# Altium PCB MMB_Controller_Board.pcbdoc (part 1 of 3) (continued)
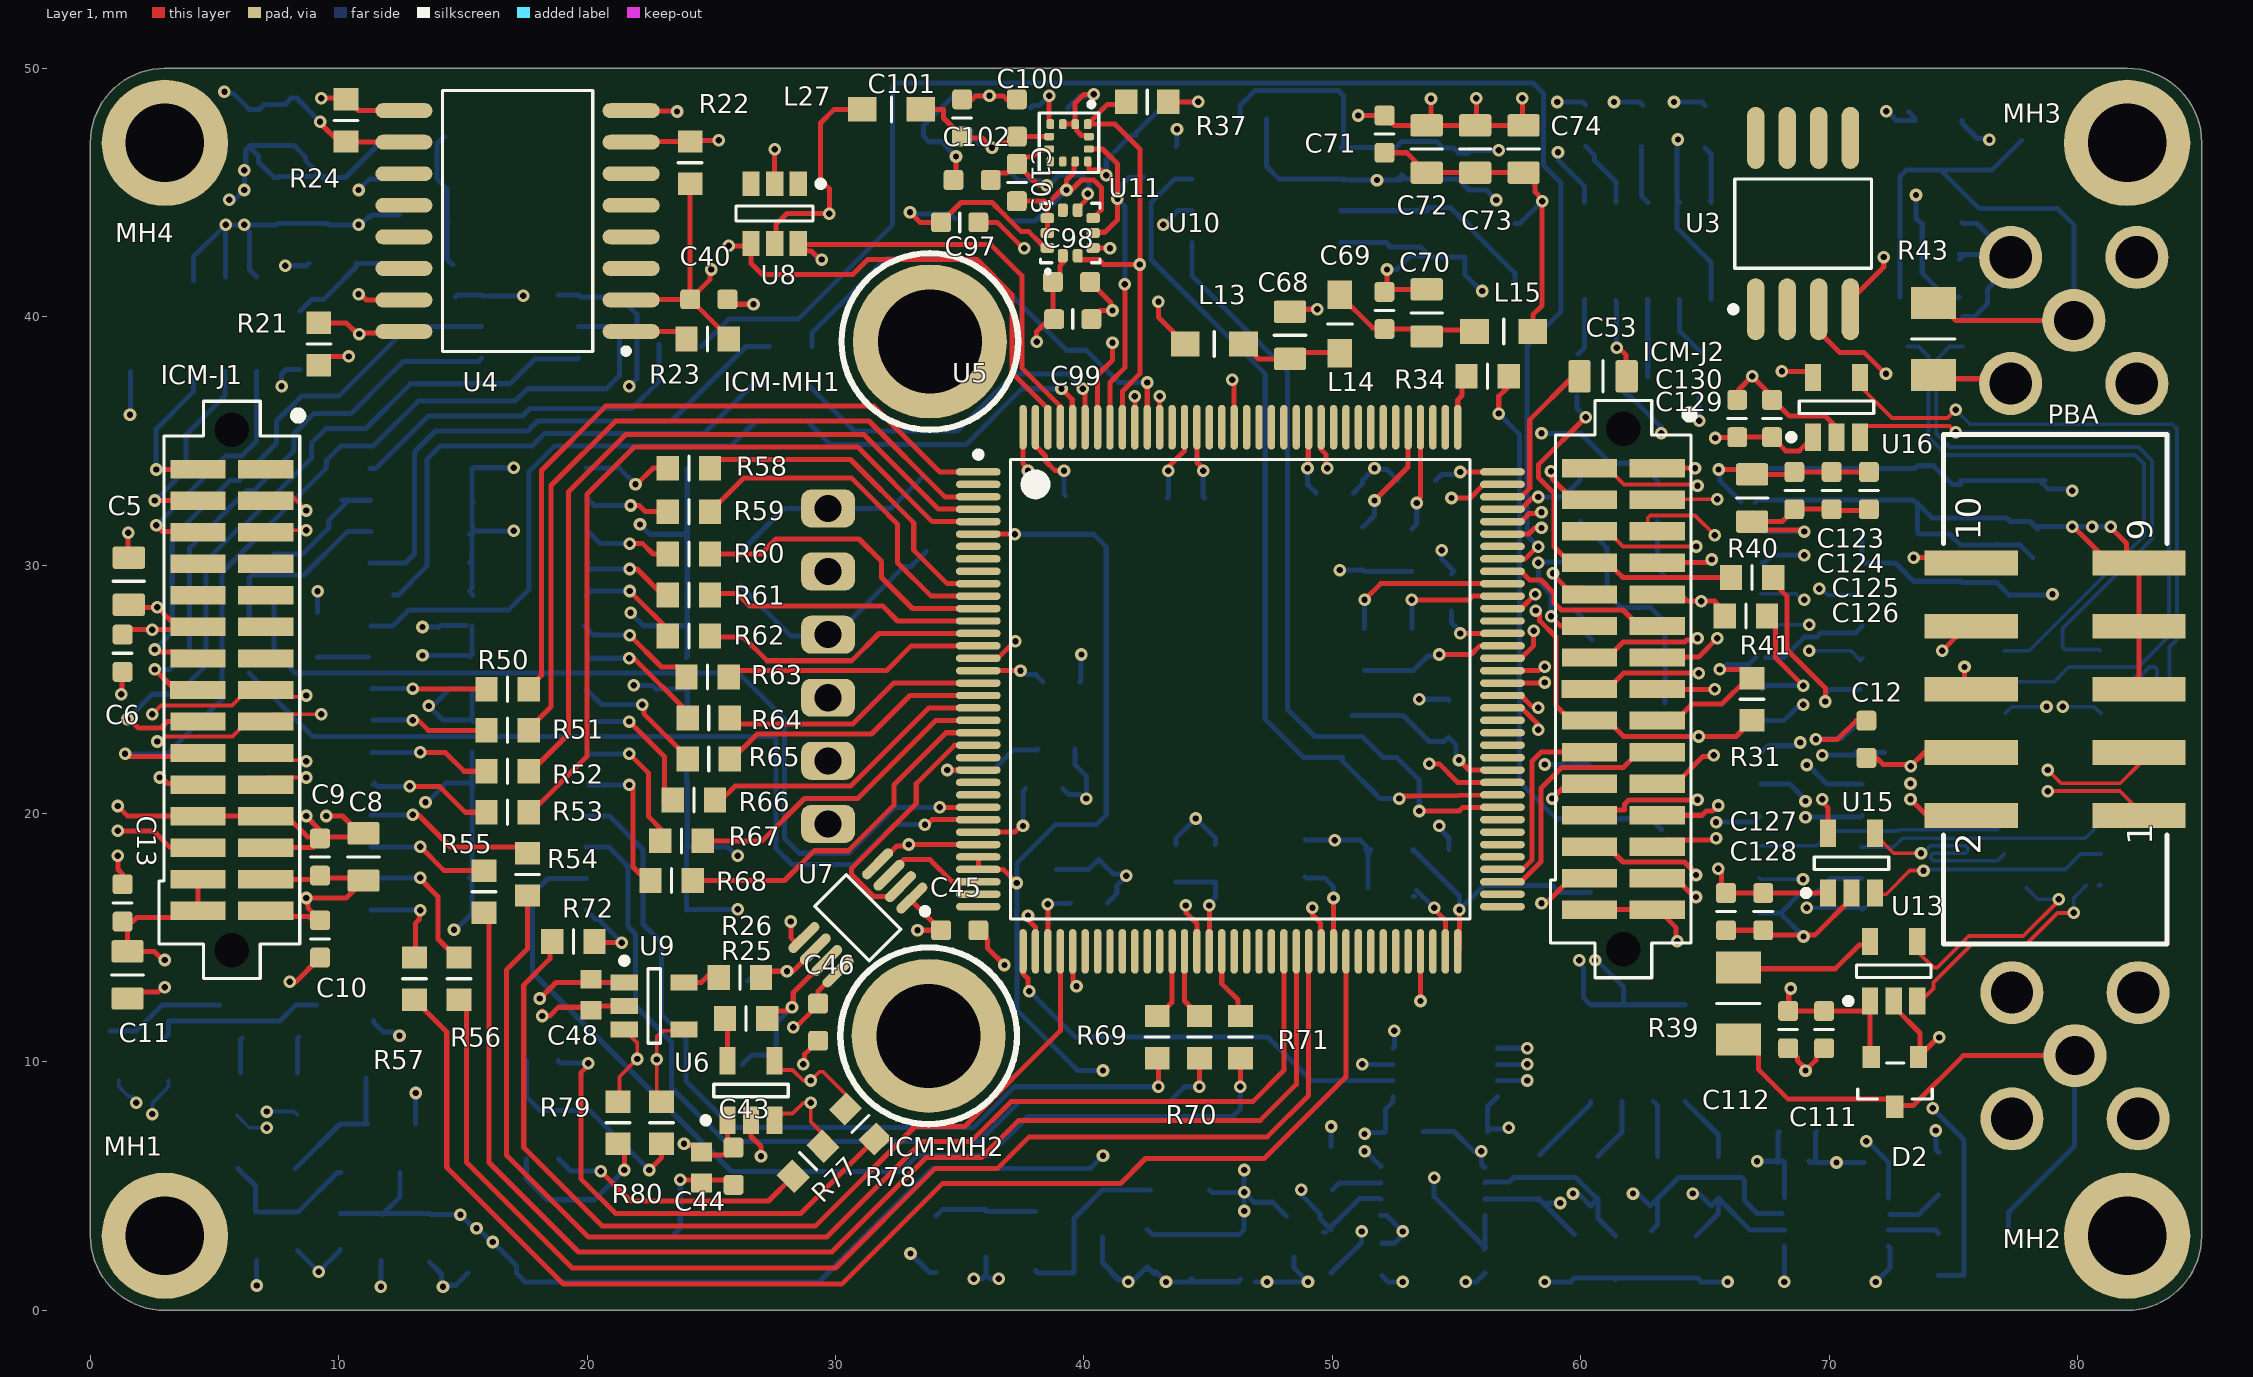
[diagram p0: Layer 1 view]
## Part data (continued)
R11 R12 R13 R14 R15 R16 R25 R26 R40 R41 R42 R44 R45 R46 R47 R48 R49 R50 R51 R52 R53 R54 R55 R56 R57 R58 R59 R60 R61 R62 R63 R64 R65 R66 R67 R68 R69 R70 R71 R72: "RES 28.0 OHM 1/10W 1% 0603 SMD", Case/Package=0603, Case Code (Metric)=1608, Manufacturer=Panasonic, Manufacturer Part Number=ERJ3EKF28R0V, Max Operating Temperature=155°C, Max Power Dissipation=100mW, Min Operating Temperature=-55°C, Package Quantity=1, Resistance=28.0, Supplier Part Number 1=P28.0HCT-ND, Temperature Coefficient=100ppm/°C, Tolerance=1%, Voltage Rating=75V, Voltage Rating (DC)=50V, Case Code (Imperial)=0603, ComponentLink1Description=https://datasheet.ciiva.com/46437/1678782-46437594.pdf?src-supplier=Element14, ComponentLink1URL=https://datasheet.ciiva.com/46437/1678782-46437594.pdf?src-supplier=Element14, ComponentLink2Description=https://datasheet.ciiva.com/22676/1678782-22676667.pdf?src-supplier=Element14, ComponentLink2URL=https://datasheet.ciiva.com/22676/1678782-22676667.pdf?src-supplier=Element14, ComponentLink3Description=https://datasheet.ciiva.com/22736/1678782-22736555.pdf?src-supplier=Element14, ComponentLink3URL=https://datasheet.ciiva.com/22736/1678782-22736555.pdf?src-supplier=Element14, Composition="Thick Film", Contact Plating=Tin, Features="Automotive AEC-Q200", Height=0.022inch, Lead Free="Lead Free", Length=1.6mm, Mount="Surface Mount", Number of Terminations=2, Packaging="Tape and Reel", Power Rating=100mW, Pricing 1="1 = 0.10000, 10 = 0.06500, 100 = 0.02640, 1000 = 0.01186, 2500 = 0.01029 (USD)", Radiation Hardening=No, REACH SVHC=Yes, RoHS=Yes, Stock 1=75130, Supplier 1=Digi-Key, Width=0.8mm
R21 R22 R23 R24: "RES 3.00K OHM 1/10W 1% 0603 SMD", Case/Package=0603, Case Code (Metric)=1608, Manufacturer=Panasonic, Manufacturer Part Number=ERJ3EKF3001V, Max Operating Temperature=155°C, Max Power Dissipation=100mW, Min Operating Temperature=-55°C, Package Quantity=1, Resistance=3.00K, Supplier Part Number 1=P3.00KHCT-ND, Temperature Coefficient=100ppm/°C, Tolerance=1%, Voltage Rating=75V, Case Code (Imperial)=0603, ComponentLink1Description=https://datasheet.ciiva.com/16782/70260748-16782535.pdf?src-supplier=Allied+Electronics, ComponentLink1URL=https://datasheet.ciiva.com/16782/70260748-16782535.pdf?src-supplier=Allied+Electronics, ComponentLink2Description=https://datasheet.ciiva.com/46373/1678782-46373975.pdf?src-supplier=Element14, ComponentLink2URL=https://datasheet.ciiva.com/46373/1678782-46373975.pdf?src-supplier=Element14, ComponentLink3Description=https://datasheet.ciiva.com/9116/aoa0000ce2-9116984.pdf?src-supplier=Avnet, ComponentLink3URL=https://datasheet.ciiva.com/9116/aoa0000ce2-9116984.pdf?src-supplier=Avnet, ComponentLink4Description=https://datasheet.ciiva.com/46386/1678782-46386728.pdf?src-supplier=Element14, ComponentLink4URL=https://datasheet.ciiva.com/46386/1678782-46386728.pdf?src-supplier=Element14, ComponentLink5Description=https://datasheet.ciiva.com/9116/aoa0000ce2-9116986.pdf?src-supplier=Avnet, ComponentLink5URL=https://datasheet.ciiva.com/9116/aoa0000ce2-9116986.pdf?src-supplier=Avnet, ComponentLink6Description=https://datasheet.ciiva.com/30198/aoa0000ce2-30198332.pdf?src-supplier=Onlinecomponents.com, ComponentLink6URL=https://datasheet.ciiva.com/30198/aoa0000ce2-30198332.pdf?src-supplier=Onlinecomponents.com, ComponentLink7Description=https://datasheet.ciiva.com/24027/aoa0000ce2-24027133.pdf?src-supplier=Mouser, ComponentLink7URL=https://datasheet.ciiva.com/24027/aoa0000ce2-24027133.pdf?src-supplier=Mouser, ComponentLink8Description=https://datasheet.ciiva.com/28565/1678782-28565103.pdf?src-supplier=Element14, ComponentLink8URL=https://datasheet.ciiva.com/28565/1678782-28565103.pdf?src-supplier=Element14, Composition="Thick Film", Contact Plating=Tin, Depth=0.8mm, Features="Automotive AEC-Q200", Height=0.022inch, Lead Free="Lead Free", Length=1.6mm, Military Standard=Not, Mount="Surface Mount", Number of Terminations=2, Packaging="Tape and Reel", Power Rating=100mW, Pricing 1="1 = 0.10000, 10 = 0.06500, 100 = 0.02640, 1000 = 0.01186, 2500 = 0.01029 (USD)", Radiation Hardening=No, REACH SVHC="No SVHC", RoHS=Yes, Stock 1=718346, Supplier 1=Digi-Key, Termination=SMD/SMT, Voltage Rating (DC)=75V, Width=0.031inch
R27 R28 R29 R30: "RES 100K OHM 1/10W 1% 0603 SMD", Case/Package=0603, Case Code (Metric)=1608, Manufacturer=Panasonic, Manufacturer Part Number=ERJ3EKF1003V, Max Operating Temperature=155°C, Max Power Dissipation=100mW, Min Operating Temperature=-55°C, Package Quantity=1, Resistance=100K, Supplier Part Number 1=P100KHTR-ND, Temperature Coefficient=100ppm/°C, Tolerance=1%, Voltage Rating=75V, Case Code (Imperial)=0603, ComponentLink1Description=https://datasheet.ciiva.com/34303/1987476-34303566.pdf?src-supplier=Jameco, ComponentLink1URL=https://datasheet.ciiva.com/34303/1987476-34303566.pdf?src-supplier=Jameco, ComponentLink2Description=https://datasheet.ciiva.com/30133/aoa0000ce2-30133845.pdf?src-supplier=Onlinecomponents.com, ComponentLink2URL=https://datasheet.ciiva.com/30133/aoa0000ce2-30133845.pdf?src-supplier=Onlinecomponents.com, ComponentLink3Description=https://datasheet.ciiva.com/16740/aoa0000ce2-16740662.pdf?src-supplier=Future+Electronics, ComponentLink3URL=https://datasheet.ciiva.com/16740/aoa0000ce2-16740662.pdf?src-supplier=Future+Electronics, ComponentLink4Description=https://datasheet.ciiva.com/15158/getdatasheetpartid-247527-15158907.pdf?src-supplier=Verical, ComponentLink4URL=https://datasheet.ciiva.com/15158/getdatasheetpartid-247527-15158907.pdf?src-supplier=Verical, ComponentLink5Description=https://datasheet.ciiva.com/16770/70260748-16770253.pdf?src-supplier=Allied+Electronics, ComponentLink5URL=https://datasheet.ciiva.com/16770/70260748-16770253.pdf?src-supplier=Allied+Electronics, Composition="Thick Film", Contact Plating=Tin, Depth=0.8mm, Features="Automotive AEC-Q200", Height=0.022inch, Lead Free="Lead Free", Length=1.6mm, Military Standard=Not, Mount="Surface Mount", Number of Pins=2, Number of Terminations=2, Packaging="Tape and Reel", Power Rating=100mW, Pricing 1="5000 = 0.007730, 10000 = 0.006710, 25000 = 0.005900, 50000 = 0.005410, 125000 = 0.005300 (USD)", Radiation Hardening=No, REACH SVHC="No SVHC", RoHS=Yes, Stock 1=5089820, Supplier 1=Digi-Key, Termination=SMD/SMT, Voltage Rating (DC)=75V, Weight=7.1E-05oz, Width=0.8mm
R31: "RES 10.0K OHM 1/10W 1% 0603 SMD", Case/Package=0603, Case Code (Metric)=1608, Manufacturer=Panasonic, Manufacturer Part Number=ERJ3EKF1002V, Max Operating Temperature=155°C, Max Power Dissipation=100mW, Min Operating Temperature=-55°C, Package Quantity=1, Resistance=10kR, Supplier Part Number 1=P10.0KHCT-ND, Temperature Coefficient=100ppm/°C, Tolerance=1%, Voltage Rating=75V, Case Code (Imperial)=0603, ComponentLink1Description="Tech Guide", ComponentLink1URL=https://industrial.panasonic.com/cdbs/www-data/pdf/RDA0000/DMA0000COL11.pdf?src-supplier=RSComponents, ComponentLink2Description="Supplier Link", ComponentLink2URL=https://www.digikey.com/products/en?keywords=P10.0KHCT-ND, ComponentLink3Description=Datasheet, ComponentLink3URL=https://industrial.panasonic.com/cdbs/www-data/pdf/RDA0000/AOA0000C304.pdf, Composition="Thick Film", Contact Plating=Tin, Depth=0.8mm, Features="Automotive AEC-Q200", Height=0.45mm, Lead Free="Lead Free", Length=1.6mm, Military Standard=Not, Mount="Surface Mount", Number of Pins=2, Number of Terminations=2, Packaging="Tape and Reel", Power Rating=100mW, Pricing 1="1 = 0.10000, 10 = 0.06500, 100 = 0.02640, 1000 = 0.01186, 2500 = 0.01029 (USD)", Radiation Hardening=No, REACH SVHC="No SVHC", RoHS=Yes, Stock 1=15986261, Supplier 1=Digi-Key, Termination=SMD/SMT, Voltage Rating (DC)=75V, Width=0.031inch
R33 R34 R35 R36: "RES 39.2 OHM 1/10W 1% 0603 SMD", Case/Package=0603, Case Code (Metric)=1608, Manufacturer=Panasonic, Manufacturer Part Number=ERJ-3EKF39R2V, Max Operating Temperature=155°C, Max Power Dissipation=100mW, Min Operating Temperature=-55°C, Package Quantity=1, Resistance=39.2, Supplier Part Number 1=P39.2HCT-ND, Temperature Coefficient=100ppm/°C, Tolerance=1%, Voltage Rating=75V, Voltage Rating (DC)=50V, Case Code (Imperial)=0603, ComponentLink1Description=https://datasheet.ciiva.com/16511/aoa0000ce2-16511754.pdf?src-supplier=Avnet+Asia, ComponentLink1URL=https://datasheet.ciiva.com/16511/aoa0000ce2-16511754.pdf?src-supplier=Avnet+Asia, ComponentLink2Description=https://datasheet.ciiva.com/16768/70260748-16768842.pdf?src-supplier=Allied+Electronics, ComponentLink2URL=https://datasheet.ciiva.com/16768/70260748-16768842.pdf?src-supplier=Allied+Electronics, ComponentLink3Description=https://datasheet.ciiva.com/9117/aoa0000ce2-9117259.pdf?src-supplier=Avnet, ComponentLink3URL=https://datasheet.ciiva.com/9117/aoa0000ce2-9117259.pdf?src-supplier=Avnet, ComponentLink4Description=https://datasheet.ciiva.com/30192/aoa0000ce2-30192907.pdf?src-supplier=Onlinecomponents.com, ComponentLink4URL=https://datasheet.ciiva.com/30192/aoa0000ce2-30192907.pdf?src-supplier=Onlinecomponents.com, ComponentLink5Description=https://datasheet.ciiva.com/5901/426256-5901661.pdf?src-supplier=Farnell, ComponentLink5URL=https://datasheet.ciiva.com/5901/426256-5901661.pdf?src-supplier=Farnell, ComponentLink6Description=https://datasheet.ciiva.com/17209/aoa0000ce2-17209901.pdf?src-supplier=Avnet+Europe, ComponentLink6URL=https://datasheet.ciiva.com/17209/aoa0000ce2-17209901.pdf?src-supplier=Avnet+Europe, ComponentLink7Description=https://datasheet.ciiva.com/16779/70260748-16779813.pdf?src-supplier=Allied+Electronics, ComponentLink7URL=https://datasheet.ciiva.com/16779/70260748-16779813.pdf?src-supplier=Allied+Electronics, ComponentLink8Description=https://datasheet.ciiva.com/46377/426256-46377078.pdf?src-supplier=Element14, ComponentLink8URL=https://datasheet.ciiva.com/46377/426256-46377078.pdf?src-supplier=Element14, ComponentLink9Description=https://datasheet.ciiva.com/46388/426256-46388618.pdf?src-supplier=Element14, ComponentLink9URL=https://datasheet.ciiva.com/46388/426256-46388618.pdf?src-supplier=Element14, Composition="Thick Film", Contact Plating=Tin, Depth=0.8mm, Features="Automotive AEC-Q200", Height=0.45mm, Lead Free="Lead Free", Length=1.6mm, Military Standard=Not, Mount="Surface Mount", Number of Terminations=2, Packaging="Tape and Reel", Power Rating=100mW, Pricing 1="1 = 0.10000, 10 = 0.06500, 100 = 0.02640, 1000 = 0.01186, 2500 = 0.01029 (USD)", Radiation Hardening=No, REACH SVHC=Unknown, RoHS=Yes, Stock 1=214870, Supplier 1=Digi-Key, Termination=SMD/SMT, Width=0.8mm
R37 R38 R301 R302: "RES 2.00K OHM 1/10W 1% 0603 SMD", Case/Package=0603, Case Code (Metric)=1608, Manufacturer=Panasonic, Manufacturer Part Number=ERJ3EKF2001V, Max Operating Temperature=155°C, Max Power Dissipation=100mW, Min Operating Temperature=-55°C, Package Quantity=1, Resistance=2.00K, Supplier Part Number 1=P2.00KHCT-ND, Temperature Coefficient=100ppm/°C, Tolerance=1%, Voltage Rating=75V, Voltage Rating (DC)=50V, Case Code (Imperial)=0603, ComponentLink1Description=https://datasheet.ciiva.com/16200/aoa0000ce2-16200501.pdf?src-supplier=Future+Electronics, ComponentLink1URL=https://datasheet.ciiva.com/16200/aoa0000ce2-16200501.pdf?src-supplier=Future+Electronics, ComponentLink2Description=https://datasheet.ciiva.com/43460/1678782-43460485.pdf?src-supplier=Farnell, ComponentLink2URL=https://datasheet.ciiva.com/43460/1678782-43460485.pdf?src-supplier=Farnell, ComponentLink3Description=https://datasheet.ciiva.com/28673/1678782-28673990.pdf?src-supplier=Element14, ComponentLink3URL=https://datasheet.ciiva.com/28673/1678782-28673990.pdf?src-supplier=Element14, ComponentLink4Description=https://datasheet.ciiva.com/46377/1678782-46377366.pdf?src-supplier=Element14, ComponentLink4URL=https://datasheet.ciiva.com/46377/1678782-46377366.pdf?src-supplier=Element14, ComponentLink5Description=https://datasheet.ciiva.com/30064/aoa0000ce2-30064920.pdf?src-supplier=Onlinecomponents.com, ComponentLink5URL=https://datasheet.ciiva.com/30064/aoa0000ce2-30064920.pdf?src-supplier=Onlinecomponents.com, ComponentLink6Description=https://datasheet.ciiva.com/16771/70260748-16771369.pdf?src-supplier=Allied+Electronics, ComponentLink6URL=https://datasheet.ciiva.com/16771/70260748-16771369.pdf?src-supplier=Allied+Electronics, ComponentLink7Description=https://datasheet.ciiva.com/17214/aoa0000ce2-17214393.pdf?src-supplier=Avnet+Europe, ComponentLink7URL=https://datasheet.ciiva.com/17214/aoa0000ce2-17214393.pdf?src-supplier=Avnet+Europe, ComponentLink8Description=https://datasheet.ciiva.com/6082/1678782-6082059.pdf?src-supplier=Farnell, ComponentLink8URL=https://datasheet.ciiva.com/6082/1678782-6082059.pdf?src-supplier=Farnell, ComponentLink9Description=https://datasheet.ciiva.com/24027/aoa0000ce2-24027453.pdf?src-supplier=Mouser, ComponentLink9URL=https://datasheet.ciiva.com/24027/aoa0000ce2-24027453.pdf?src-supplier=Mouser, Composition="Thick Film", Contact Plating=Tin, Depth=0.8mm, Features="Automotive AEC-Q200", Height=0.022inch, Lead Free="Lead Free", Length=1.6mm, Military Standard=Not, Mount="Surface Mount", Number of Terminations=2, Packaging="Tape and Reel", Power Rating=100mW, Pricing 1="1 = 0.10000, 10 = 0.06500, 100 = 0.02640, 1000 = 0.01186, 2500 = 0.01029 (USD)", Radiation Hardening=No, REACH SVHC="No SVHC", RoHS=Yes, Stock 1=3931284, Supplier 1=Digi-Key, Termination=SMD/SMT, Width=0.031inch
R39 R43: "RES 50 OHM 1/2W 1% 1206 SMD", Case/Package=1206, Case Code (Metric)=3216, Manufacturer=Panasonic, Manufacturer Part Number=ERJ8ENF49R9V, Max Operating Temperature=155°C, Max Power Dissipation=250mW, Min Operating Temperature=-55°C, Package Quantity=1, Resistance=49.9, Supplier Part Number 1=P49.9FCT-ND, Temperature Coefficient=100ppm/°C, Tolerance=1%, Voltage Rating=200V, Case Code (Imperial)=1206, ComponentLink1Description=http://www.vishay.com/docs/20043/crcwhpe3.pdf, ComponentLink1URL=http://www.vishay.com/docs/20043/crcwhpe3.pdf, ComponentLink2Description=https://datasheet.ciiva.com/30178/aoa0000ce2-30178133.pdf?src-supplier=Onlinecomponents.com, ComponentLink2URL=https://datasheet.ciiva.com/30178/aoa0000ce2-30178133.pdf?src-supplier=Onlinecomponents.com, ComponentLink3Description=https://datasheet.ciiva.com/43460/426256-43460149.pdf?src-supplier=Farnell, ComponentLink3URL=https://datasheet.ciiva.com/43460/426256-43460149.pdf?src-supplier=Farnell, ComponentLink4Description=https://datasheet.ciiva.com/46377/426256-46377239.pdf?src-supplier=Element14, ComponentLink4URL=https://datasheet.ciiva.com/46377/426256-46377239.pdf?src-supplier=Element14, ComponentLink5Description=https://datasheet.ciiva.com/24027/aoa0000ce2-24027304.pdf?src-supplier=Mouser, ComponentLink5URL=https://datasheet.ciiva.com/24027/aoa0000ce2-24027304.pdf?src-supplier=Mouser, ComponentLink6Description=https://datasheet.ciiva.com/46388/426256-46388904.pdf?src-supplier=Element14, ComponentLink6URL=https://datasheet.ciiva.com/46388/426256-46388904.pdf?src-supplier=Element14, ComponentLink7Description=https://datasheet.ciiva.com/6159/426256-6159641.pdf?src-supplier=Farnell, ComponentLink7URL=https://datasheet.ciiva.com/6159/426256-6159641.pdf?src-supplier=Farnell, ComponentLink8Description=https://datasheet.ciiva.com/27055/1990245-27055770.pdf?src-supplier=Jameco, ComponentLink8URL=https://datasheet.ciiva.com/27055/1990245-27055770.pdf?src-supplier=Jameco, ComponentLink9Description=https://datasheet.ciiva.com/16725/70260748-16725115.pdf?src-supplier=Allied+Electronics, ComponentLink9URL=https://datasheet.ciiva.com/16725/70260748-16725115.pdf?src-supplier=Allied+Electronics, ComponentLink10Description=https://datasheet.ciiva.com/28694/1678782-28694252.pdf?src-supplier=Element14, ComponentLink10URL=https://datasheet.ciiva.com/28694/1678782-28694252.pdf?src-supplier=Element14, ComponentLink11Description=https://datasheet.ciiva.com/16785/70260748-16785263.pdf?src-supplier=Allied+Electronics, ComponentLink11URL=https://datasheet.ciiva.com/16785/70260748-16785263.pdf?src-supplier=Allied+Electronics, ComponentLink12Description=https://datasheet.ciiva.com/17209/aoa0000ce2-17209487.pdf?src-supplier=Avnet+Europe, ComponentLink12URL=https://datasheet.ciiva.com/17209/aoa0000ce2-17209487.pdf?src-supplier=Avnet+Europe, Composition="Thick Film", Contact Plating=Tin, Depth=1.6mm, Features="Automotive AEC-Q200", Height=0.6mm, Lead Free="Lead Free", Length=3.2mm, Military Standard=Not, Mount="Surface Mount", Number of Terminations=2, Packaging="Tape and Reel", Power Rating=250mW, Pricing 1="1 = 0.11000, 10 = 0.10000, 100 = 0.03850, 1000 = 0.01695, 2500 = 0.01464 (USD)", Radiation Hardening=No, REACH SVHC=Unknown, RoHS=Yes, Stock 1=167353, Supplier 1=Digi-Key, Termination=SMD/SMT, Voltage Rating (DC)=200V, Width=0.063inch, Working Voltage=200V
R73 R74 R75 R76 R77 R78 R79 R80: "RES 49.9 OHM 1/10W 1% 0603 SMD", Case/Package=0603, Case Code (Metric)=1608, Manufacturer=Panasonic, Manufacturer Part Number=ERJ3EKF49R9V, Max Operating Temperature=155°C, Max Power Dissipation=100mW, Min Operating Temperature=-55°C, Package Quantity=1, Resistance=49.9, Supplier Part Number 1=P49.9HCT-ND, Temperature Coefficient=100ppm/°C, Tolerance=1%, Voltage Rating=75V, Voltage Rating (DC)=50V, Working Voltage=6V, Case Code (Imperial)=0603, ComponentLink1Description=https://datasheet.ciiva.com/16766/70260748-16766262.pdf?src-supplier=Allied+Electronics, ComponentLink1URL=https://datasheet.ciiva.com/16766/70260748-16766262.pdf?src-supplier=Allied+Electronics, ComponentLink2Description=https://datasheet.ciiva.com/9117/aoa0000ce2-9117128.pdf?src-supplier=Avnet, ComponentLink2URL=https://datasheet.ciiva.com/9117/aoa0000ce2-9117128.pdf?src-supplier=Avnet, ComponentLink3Description=https://datasheet.ciiva.com/16772/70260748-16772570.pdf?src-supplier=Allied+Electronics, ComponentLink3URL=https://datasheet.ciiva.com/16772/70260748-16772570.pdf?src-supplier=Allied+Electronics, ComponentLink4Description=https://datasheet.ciiva.com/28694/1678782-28694219.pdf?src-supplier=Element14, ComponentLink4URL=https://datasheet.ciiva.com/28694/1678782-28694219.pdf?src-supplier=Element14, ComponentLink5Description=https://datasheet.ciiva.com/30095/aoa0000ce2-30095355.pdf?src-supplier=Onlinecomponents.com, ComponentLink5URL=https://datasheet.ciiva.com/30095/aoa0000ce2-30095355.pdf?src-supplier=Onlinecomponents.com, ComponentLink6Description=https://datasheet.ciiva.com/48531/aoa0000ce2-48531019.pdf?src-supplier=Avnet, ComponentLink6URL=https://datasheet.ciiva.com/48531/aoa0000ce2-48531019.pdf?src-supplier=Avnet, ComponentLink7Description=https://datasheet.ciiva.com/46388/1678782-46388908.pdf?src-supplier=Element14, ComponentLink7URL=https://datasheet.ciiva.com/46388/1678782-46388908.pdf?src-supplier=Element14, Composition="Thick Film", Contact Plating=Tin, Depth=0.8mm, Features="Automotive AEC-Q200", Height=0.022inch, Lead Free="Lead Free", Length=1.6mm, Military Standard=Not, Mount="Surface Mount", Number of Terminations=2, Packaging="Tape and Reel", Power Rating=100mW, Pricing 1="1 = 0.100000, 10 = 0.065000, 100 = 0.026400, 1000 = 0.011860, 2500 = 0.010290 (USD)", Radiation Hardening=No, REACH SVHC=Unknown, RoHS=Yes, Stock 1=2435501, Supplier 1=Digi-Key, Termination=SMD/SMT, Width=0.8mm
TP1 TP2 TP3 TP4 TP5: library part "Test Point SM", "5019KCT-ND", Color=-, Manufacturer="Keystone Electronics", Manufacturer Part Number=5019, Category="Test and Measurement", ComponentLink1Description=http://www.keyelco.com/product-pdf.cfm?p=1357, ComponentLink1URL=http://www.keyelco.com/product-pdf.cfm?p=1357, Material="Phosphor Bronze", Mounting Type="Surface Mount", Packaging="Cut Tape (CT)", Pricing="1=0.3, 10=0.287, 50=0.2092, 100=0.201, 250=0.18048, 500=0.17228 (USD)", RoHS="RoHS Compliant", Stock=10485, Supplier 1=Digi-Key, Supplier Part Number 1=5019KCT-ND, Terminal="0.015\" (0.38mm) Phosphor Bronze, Silver Plated", Type="PC Test Point, Miniature"
U1 U2 U7 U17: "Voltage Level Translator Bidirectional 1 Circuit 2 Channel 420Mbps SM8 (SSOP)", Case/Package=SSOP, F @ Nom Voltage(Max)(Mhz)=150, Generic Part Number=SN74LVC2T45-Q1, High Level Output Current=-32mA, ICC @ Nom Voltage(Max)(mA)=0.004, Low Level Output Current=32mA, Manufacturer="Texas Instruments", Manufacturer Part Number=SN74LVC2T45MDCTTEP, Max Operating Temperature=125°C, Max Supply Voltage=5.5V, Min Operating Temperature=-55°C, Min Supply Voltage=1.65V, Operating Temperature Range(C)="-40 to 125", Package Quantity=250, Quiescent Current=12mA, Rating=Automotive, Supplier Part Number 1=296-23952-1-ND, tpd @ Nom Voltage(Max)(ns)=19.5,12,9.6,8.4, Voltage(Nom)(V)=1.8,2.5,3.3,5, 3-State Output=Yes, Bits(#)=2, ComponentLink1Description="Manufacturer URL", ComponentLink1URL=http://www.ti.com/, ComponentLink2Description=Datasheet, ComponentLink2URL=http://www.ti.com/lit/ds/symlink/sn74lvc2t45-q1.pdf, ComponentLink3Description=https://datasheet.ciiva.com/14316/sn74lvc2t45-ep-14316386.pdf?src-supplier=Avnet, ComponentLink3URL=https://datasheet.ciiva.com/14316/sn74lvc2t45-ep-14316386.pdf?src-supplier=Avnet, ComponentLink4Description=https://datasheet.ciiva.com/15086/getdatasheetpartid-144548-15086248.pdf?src-supplier=Verical, ComponentLink4URL=https://datasheet.ciiva.com/15086/getdatasheetpartid-144548-15086248.pdf?src-supplier=Verical, ComponentLink5Description=https://datasheet.ciiva.com/1899/sn74lvc2t45-ep-1899619.pdf?src-supplier=Digi-Key, ComponentLink5URL=https://datasheet.ciiva.com/1899/sn74lvc2t45-ep-1899619.pdf?src-supplier=Digi-Key, ComponentLink6Description=https://datasheet.ciiva.com/1899/sn74lvc2t45-ep-1899620.pdf?src-supplier=Digi-Key, ComponentLink6URL=https://datasheet.ciiva.com/1899/sn74lvc2t45-ep-1899620.pdf?src-supplier=Digi-Key, ComponentLink7Description=https://datasheet.ciiva.com/1899/sn74lvc2t45-ep-1899621.pdf?src-supplier=Digi-Key, ComponentLink7URL=https://datasheet.ciiva.com/1899/sn74lvc2t45-ep-1899621.pdf?src-supplier=Digi-Key, ComponentLink8Description=https://datasheet.ciiva.com/48701/001073867-da-01-en-ic-bus-trans-sn74lvc2t45mdcttep-sm-8-tid-48701957.pdf?src-supplier=Conrad, ComponentLink8URL=https://datasheet.ciiva.com/48701/001073867-da-01-en-ic-bus-trans-sn74lvc2t45mdcttep-sm-8-tid-48701957.pdf?src-supplier=Conrad, Contact Plating=Gold, Data Rate=420Mbps, DatasheetVersion=SCES818, Direction=Bidirectional, Input Type=CMOS/TTL, Lead Free="Lead Free", Logic=True, Logic Function=Translator, Mount="Surface Mount", Number of Bits=2, Number of Channels=2, Number of Elements=1, Number of Inputs=2, Number of Pins=8, Output Current=32mA, Output Drive (IOL/IOH)(Max)(mA)=32/-32, Output Type=CMOS, PackageReference=DCU0008A, Packaging="Tape and Reel", PartNumber=SN74LVC2T45QDCURQ1, Polarity=Non-Inverting, Pricing 1="1 = 1.67000, 10 = 1.50100, 100 = 1.20660 (USD)", Propagation Delay=3.5ns, Radiation Hardening=No, REACH SVHC="No SVHC", RoHS=Yes, Schmitt Trigger=No, Stock 1=5778, Sub-Family="Dual Supply Translator", Supplier 1=Digi-Key, Technology Family=LVC, Turn-On Delay Time=53.2ns, VCC(Max)(V)=5.5, VCC(Min)(V)=1.65, Weight=0.000825oz
U3: "EEPROM Memory IC 4Kb (256 x 16) 1-Wire®  2µs 8-SO", Case/Package=SOIC, Manufacturer=Maxim, Max Operating Temperature=85°C, Max Supply Voltage=5.25V, Min Operating Temperature=-40°C, Min Supply Voltage=2.8V, Package Quantity=1, Supplier Part Number 1=DS24B33S+T&RCT-ND, ComponentLink1Description="Digi-Key Link", ComponentLink1URL=https://www.digikey.com/product-detail/en/maxim-integrated/DS24B33S-T-R/DS24B33S-T-RCT-ND/3877655, ComponentLink2Description=Datasheet, ComponentLink2URL=https://datasheets.maximintegrated.com/en/ds/DS24B33.pdf, ComponentLink3Description=http://www.mouser.com/ds/2/256/DS24B33-87042.pdf?src-supplier=Mouser, ComponentLink3URL=http://www.mouser.com/ds/2/256/DS24B33-87042.pdf?src-supplier=Mouser, ComponentLink4Description=http://www.farnell.com/datasheets/2001215.pdf?src-supplier=Farnell, ComponentLink4URL=http://www.farnell.com/datasheets/2001215.pdf?src-supplier=Farnell, ComponentLink5Description=https://produktinfo.conrad.com/datenblaetter/1100000-1199999/001121821-da-01-en-IC_EEPROM_4KBIT_DS24B33S_T_R_SOIC_8_MAX.pdf?src-supplier=Conrad, ComponentLink5URL=https://produktinfo.conrad.com/datenblaetter/1100000-1199999/001121821-da-01-en-IC_EEPROM_4KBIT_DS24B33S_T_R_SOIC_8_MAX.pdf?src-supplier=Conrad, ComponentLink6Description=http://datasheets.maximintegrated.com/en/ds/DS24B33.pdf?src-supplier=Avnet, ComponentLink6URL=http://datasheets.maximintegrated.com/en/ds/DS24B33.pdf?src-supplier=Avnet, ComponentLink7Description=http://datasheets.maximintegrated.com/en/ds/DS24B33.pdf?src-supplier=Avnet+Europe, ComponentLink7URL=http://datasheets.maximintegrated.com/en/ds/DS24B33.pdf?src-supplier=Avnet+Europe, ComponentLink8Description=http://datasheets.maximintegrated.com/en/ds/DS24B33.pdf?src-supplier=Digi-Key, ComponentLink8URL=http://datasheets.maximintegrated.com/en/ds/DS24B33.pdf?src-supplier=Digi-Key, ComponentLink9Description=https://datasheets.maximintegrated.com/en/ds/DS24B33.pdf?src-supplier=Digi-Key, ComponentLink9URL=https://datasheets.maximintegrated.com/en/ds/DS24B33.pdf?src-supplier=Digi-Key, ComponentLink10Description=http://www.farnell.com/datasheets/2001215.pdf?src-supplier=Element14, ComponentLink10URL=http://www.farnell.com/datasheets/2001215.pdf?src-supplier=Element14, ComponentLink11Description=http://www.maximintegrated.com/DS24B33.pdf?src-supplier=Avnet+Asia, ComponentLink11URL=http://www.maximintegrated.com/DS24B33.pdf?src-supplier=Avnet+Asia, Contact Plating=Tin, Density=4Kb, Interface=Serial, Manufacturer Part Number=DS24B33S+T&R, Memory Size=4Kb, Memory Type=EEPROM, Number of Pins=8, Packaging="Tape and Reel", Pricing 1="1 = 3.56000, 10 = 3.20200, 25 = 3.15120, 50 = 3.14260, 100 = 2.80810, 250 = 2.71688, 500 = 2.70674, 1000 = 2.52088 (USD)", Radiation Hardening=No, REACH SVHC=Unknown, RoHS=Yes, Stock 1=50740, Supplier 1=Digi-Key